# Altium PCB PCB.PcbDoc (part 3 of 3) (continued)
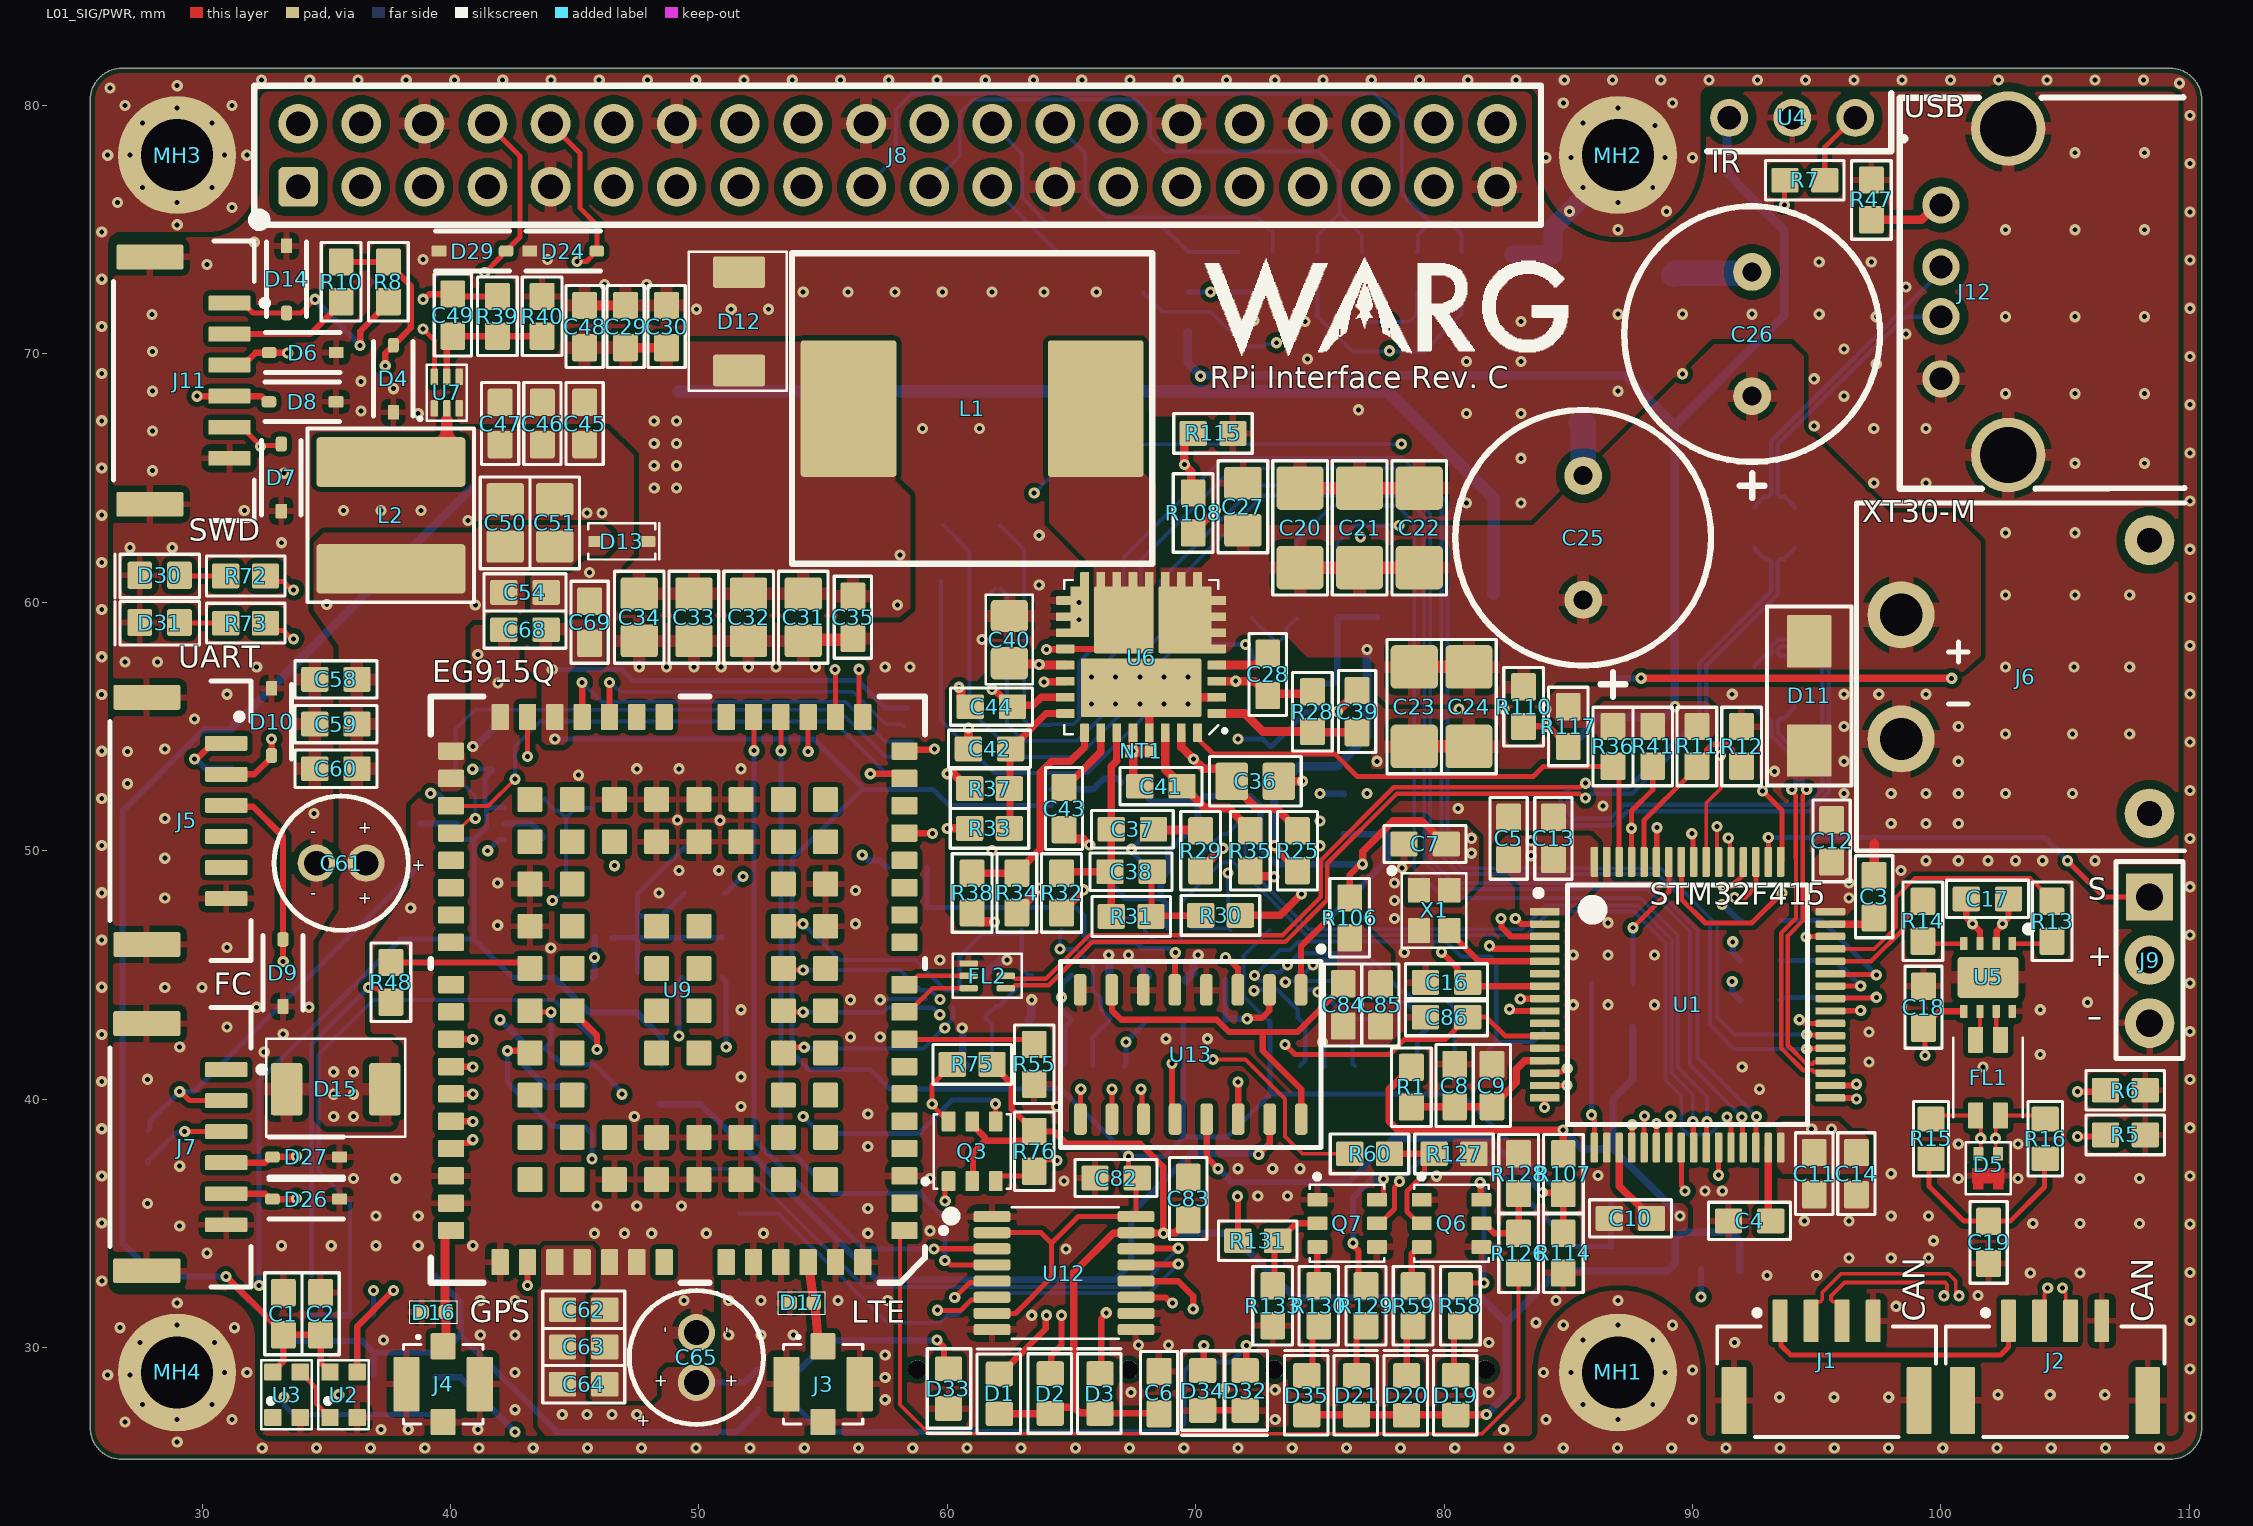
[diagram p0: L01_SIG/PWR view]
## Nets (pads, with @x,y where several pads share a name; then routed paths per layer and width w, separated by ;. In a path a pad name is that pad's centre, name@x,y a point inside that pad or via, vN(x,y) a via of type N, cw(c..) or ccw(c..) an arc to the next point about the centre after c; other vN are vias at no path point) (continued)
  L03_SIG w0.152: v1(69.3,34) 69.6,33.7 77.3,33.7 82.5,38.9 83.976,38.9 84.498,39.421 84.751,39.421 85.88,40.55 85.88,44.404 90.627,49.15 91.35,49.15 91.697,48.803 v1(91.697,48.113)
  L04_SIG/PWR w0.152: J17.1@49.819,37.196 51.904,37.196 56.662,32.438 67.738,32.438 v1(69.3,34)
UART_DBG_STM_TO_EG_1V8: U9.23 U12.3 | length 28.4
  L01_SIG/PWR w0.203: U9.23@52.2,55.376 52.211,55.365 52.211,54.04 v1(52.223,54.028) ; v1(59.463,33.965) 59.477,33.978 61.797,33.978 U12.3@61.8,33.975
  L04_SIG/PWR w0.203: v1(52.223,54.028) 52.223,38.377 56.635,33.965 v1(59.463,33.965)
UART_FC_TO_MCU: D23.2 J7.2 R61.1 R62.1 R70.1 U1.17 | length 91.2
  L01_SIG/PWR w0.203: v1(29.1,40.3) 29.134,40.3 29.492,39.942 J7.2@30.974,39.942 ; U1.17@86.05,38.05 86.054,38.054 v1@86.054,39.186
  L03_SIG w0.152: v1(29.1,40.3) 28.257,39.457 28.257,36.443 31.5,33.2 58.509,33.2 60.123,31.586 62.386,31.586 63.741,32.941 78.7,32.941 83.659,37.9 84.531,37.9 85.936,39.306 v1(85.936,39.37)
  L04_SIG/PWR w0.203: D23.2@27.813,38.734 27.908,38.829 27.908,39.118 v1@29.09,40.3 ; v1(29.1,40.3) 29.678,40.3 38.756,49.378 R70.1@38.756,49.428 ; v1(85.936,39.37) R62.1@85.936,44.684
UART_MAIN_EG_TO_STM: J15.2 U1.30 U11.13 | length 70
  L01_SIG/PWR w0.203: U1.30@92.55,38.042 92.562,38.055 92.562,39.287 v1(92.575,39.3)
  L04_SIG/PWR w0.152: J15.2@59.844,63.103 60.9,62.046 60.9,55.7 62.825,53.775 63.692,53.775 U11.13@64.2,53.775 65.253,53.775 67.257,55.779 67.257,57.357 68.6,58.7 68.6,60.897 72.403,64.7 78.3,64.7 79.441,63.559 79.441,49.659 80.4,48.7 88.3,48.7 90.2,46.8 90.2,41.675 v1(92.575,39.3)
UART_MAIN_EG_TO_STM_1V8: U9.35 U11.4 | length 24.4
  L01_SIG/PWR w0.152: U9.35@40.025,50.712 40.2,50.712 40.736,51.248 40.941,51.248 v1(40.998,51.305)
  L04_SIG/PWR w0.152: v1(40.998,51.305) 41,51.306 41,52.2 40.2,53 40.2,54.9 40.976,55.676 55.624,55.676 57.511,53.789 U11.4@58.378,53.789
UART_MAIN_STM_TO_EG: J15.1 U1.29 U11.14 | length 68.7
  L01_SIG/PWR w0.203: v1(91.986,39.286) 92.018,39.254 92.018,38.082 U1.29@92.05,38.05
  L04_SIG/PWR w0.152: J15.1@59.744,60.863 59.744,55.256 61.875,53.125 U11.14@64.2,53.125 65.651,53.125 68.2,55.674 68.2,57.2 69.3,58.3 69.3,60.9 72.7,64.3 78.359,64.3 79.2,63.459 79.2,49.559 80.3,48.459 88.2,48.459 89.9,46.759 89.9,41.372 v1(91.986,39.286)
UART_MAIN_STM_TO_EG_1V8: U9.34 U11.3 | length 21.3
  L01_SIG/PWR w0.152: U9.34@40.025,51.812 40.037,51.8 41.514,51.8 v1(42.594,52.88)
  L04_SIG/PWR w0.152: v1(42.594,52.88) 42.6,52.886 42.6,54.2 43.6,55.2 55.436,55.2 57.511,53.125 58.243,53.125 U11.3@58.245,53.123
UART_MCU_TO_FC: D25.2 J7.3 R65.1 R71.2 U1.16 U10.4 | length 94.9
  L01_SIG/PWR w0.203: v1(29.3,38.7) 29.304,38.696 30.97,38.696 J7.3@30.974,38.692
  L01_SIG/PWR w0.254: v1(84.049,39.663) 84.049,40.049 U1.16@84.05,40.05
  L03_SIG w0.152: v1(29.3,38.7) 31.793,41.193 32.704,41.193 ; v1(44.1,48) 39.511,48 32.704,41.193 ; v1(84.049,39.663) 84.652,39.663 85.639,40.65 85.639,41.749 84.987,42.4 81.659,42.4 74.923,35.664 61.609,35.664 54.308,42.964 47.467,42.964 42.444,37.941 35.956,37.941 32.704,41.193
  L04_SIG/PWR w0.152: R71.2@43.8,52.1 43.8,52.05 44.224,51.626 44.343,51.626 44.653,51.316 45.061,51.724 45.676,51.724 R65.1@45.7,51.7 ; v1(44.1,48) 44.181,48 44.653,48.472 44.656,48.472 ; 44.656,51.316 44.656,48.472 ; U10.4@45.177,48.472 44.656,48.472
  L04_SIG/PWR w0.203: D25.2@27.813,37.434 27.813,37.504 28.962,38.653 29.253,38.653 v1(29.3,38.7)
UART_MCU_TO_RPI: D24.2 J8.10 R62.2 U1.58 | length 71.4
  L01_SIG/PWR w0.203: J8.10@44.03,79.27 45.207,78.093 45.207,75.881 45.892,75.195 D24.2@45.892,74.142 45.828,74.142 45.705,74.019 45.705,73.955 45.476,73.725 v1(45.1,73.725) ; v1(87.6,46.9) 89.05,48.35 U1.58@89.05,49.55
  L03_SIG w0.152: v1(45.1,73.725) 45.125,73.7 66.975,73.7 78.004,62.67 78.527,62.67 89.4,51.798 ; v1(87.6,46.9) 89.4,48.7 89.4,51.798
  L04_SIG/PWR w0.203: R62.2@87.6,44.683 v1(87.6,46.9)
UART_RPI_TO_MCU: D29.2 J8.8 R63.1 U1.59 U10.2 | length 104
  L01_SIG/PWR w0.203: v1(41.377,73.274) 42.05,73.947 42.05,74.019 42.173,74.142 D29.2@42.237,74.142 42.8,74.705 42.8,77.96 J8.8@41.49,79.27 ; U1.59@88.55,49.55 88.562,49.562 88.562,50.917 v1(88.575,50.929)
  L03_SIG w0.203: v1(45.8,45.7) 47.1,47 47.1,53 35.9,64.2 35.9,70.513 36.987,71.6 39.703,71.6 v1(41.377,73.274) 67.024,73.274 77.894,62.404 78.376,62.404 88.548,52.232 88.548,50.955 v1(88.575,50.929)
  L04_SIG/PWR w0.254: R63.1@45.727,44.897 45.8,44.97 v1(45.8,45.7) 45.814,45.714 45.814,46.509 U10.2@45.827,46.522
UNUSED_PIN: U1.10
USB_DM_FILT: FL2.4 U9.10 | length 2.7
  L01_SIG/PWR w0.178: U9.10@58.275,44.612 58.45,44.612 58.803,44.965 FL2.4@60.86,44.965
USB_DP_FILT: FL2.5 U9.9 | length 3
  L01_SIG/PWR w0.178: U9.9@58.275,43.512 58.45,43.512 58.711,43.773 58.711,43.775 59.401,44.465 FL2.5@60.86,44.465
USB_OTG_HS_ID: R5.2 U1.33 | length 11.7
  L01_SIG/PWR w0.254: U1.33@95.55,40.05 96.497,40.05 96.547,40 v1(96.6,40) ; v1(105.5,38.5) 106.567,38.5 R5.2@106.627,38.56
  L03_SIG w0.254: v1(96.6,40) 104,40 v1(105.5,38.5)
USIM1_CLK: C72.2 D18.2 J13.C3 U9.46 | length 54.6
  L01_SIG/PWR w0.254: U9.46@40.025,38.012 40.248,38.235 40.715,38.235 40.847,38.367 v1(40.9,38.367)
  L03_SIG w0.152: v1(40.9,38.367) 40.947,38.32 41.581,38.32 47.761,44.5 62.2,44.5 64.2,46.5 71,46.5 72.07,45.43 72.07,45.322 72.365,45.027 v1(72.365,44.975)
  L04_SIG/PWR w0.17: v1@72.4,44.9 v1@72.4,45.01 ; v1@72.4,44.9 72.473,44.9 72.617,44.757 D18.2@73.047,44.757 ; v1@72.4,44.975 v1(72.365,44.975) 73.39,46 73.8,46 74.15,46.35 80.08,46.35 80.691,45.739 81.861,45.739 82.1,45.5 82.1,42.3 ; J13.C3@81.496,41.342 81.82,41.666 81.82,42.02 82.1,42.3 ; C72.2@84,42.75 84,42.724 83.576,42.3 82.1,42.3
USIM1_DATA: C71.2 D18.3 J13.C7 R54.1 U9.45 | length 49.4
  L01_SIG/PWR w0.254: U9.45@40.025,39.112 40.031,39.106 40.894,39.106 v1(40.9,39.1)
  L03_SIG w0.152: v1(40.9,39.1) 41.948,39.1 48.948,46.1 63,46.1 63.676,46.776 72.324,46.776 v1(73.7,45.4)
  L04_SIG/PWR w0.17: D18.3@73.047,45.107 73.407,45.107 v1(73.7,45.4) 74.17,45.87 76.865,45.87 77.51,45.225 77.51,45.171 R54.1@77.925,44.756 77.925,44.706 78.34,44.291 78.474,44.291 78.74,44.025 80.044,44.025 80.415,43.654 80.415,43.168 ; J13.C7@80.226,41.342 80.415,41.532 80.415,43.168 ; C71.2@81.325,43.176 80.424,43.176 80.415,43.168
USIM1_DET: D18.1 J13.CD R53.1 U9.42 | length 48.4
  L01_SIG/PWR w0.254: U9.42@40.025,42.412 40.031,42.406 40.894,42.406 v1(40.9,42.4)
  L03_SIG w0.152: v1(40.9,42.4) 44,42.4 49.3,47.7 73.431,47.7 75.435,45.696 75.435,44.177 74.794,43.535 73.23,43.535 72.397,44.368 v1(72.352,44.368)
  L04_SIG/PWR w0.17: v1(72.352,44.368) 72.392,44.407 73.293,44.407 74.109,43.591 74.109,43.291 R53.1@74.4,43 ; J13.CD@74.196,41.342 74.413,41.56 74.413,42.987 R53.1@74.574,43.147
USIM1_RST: C73.2 D18.4 J13.C2 U9.44 | length 47.6
  L01_SIG/PWR w0.254: U9.44@40.025,40.212 40.031,40.206 40.894,40.206 v1(40.9,40.2)
  L03_SIG w0.152: v1(40.9,40.2) 42.635,40.2 48.776,46.341 62.741,46.341 63.417,47.017 73.098,47.017 v1(74.717,45.398)
  L04_SIG/PWR w0.17: D18.4@74.147,45.107 74.425,45.107 v1(74.717,45.398) ; v1@74.745,45.477 74.822,45.477 74.957,45.611 76.758,45.611 77.039,45.33 77.039,44.352 77.486,43.905 78.444,43.905 78.769,43.58 79.221,43.58 C73.2@79.625,43.176 79.625,43.126 79.21,42.711 79.16,42.711 78.92,42.471 78.92,41.379 J13.C2@78.956,41.342
USIM1_VDD: C70.2 D18.6 J13.C1 R54.2 U9.43 | length 46.1
  L01_SIG/PWR w0.254: U9.43@40.025,41.312 40.031,41.306 40.894,41.306 v1(40.9,41.3)
  L03_SIG w0.203: v1(40.9,41.3) 43.322,41.3 48.63,46.608 62.508,46.608 63.3,47.4 73.354,47.4 75.169,45.585 75.169,44.567 v1(74.921,44.32)
  L04_SIG/PWR w0.17: D18.6@74.147,44.407 74.758,44.407 74.845,44.32 v1(74.921,44.32) 74.975,44.266 75.135,44.266 75.76,43.641 75.81,43.641 76.225,43.226 C70.2@76.225,43.176 ; J13.C1@76.416,41.342 76.311,41.448 76.311,43.091 C70.2@76.225,43.176 ; R54.2@77.925,43.156 77.868,43.214 76.262,43.214 C70.2@76.225,43.176
USIM2_CLK: C76.2 D22.3 J14.C3 U9.84 | length 17.7
  L01_SIG/PWR w0.203: U9.84@53.4,41.862 53.628,42.09 v1(54.24,42.09)
  L03_SIG w0.203: v1(59.9,42.86) 59.94,42.86 60.5,42.3 v1(67.2,42.3)
  L04_SIG/PWR w0.17: v1(54.24,42.09) 54.293,42.036 59.036,42.036 59.86,42.86 v1(59.9,42.86) ; v1@59.9,42.9 59.9,42.907 60.236,43.243 D22.3@60.236,43.682
  L04_SIG/PWR w0.203: J14.C3@67.13,41.342 67.2,41.412 v1(67.2,42.3) 67.2,42.322 68.069,43.192 C76.2@68.069,43.242
USIM2_DATA: C75.2 D22.6 J14.C7 R56.1 U9.86 | length 19.5
  L01_SIG/PWR w0.203: U9.86@53.4,45.262 53.462,45.2 v1(54.2,45.2)
  L03_SIG w0.203: v1(59.707,44.007) 59.714,44 62.502,44 v1(64.541,46.039)
  L04_SIG/PWR w0.17: v1(54.2,45.2) 58.1,45.2 58.918,44.382 D22.6@59.127,44.382 ; D22.6@59.136,44.382 59.332,44.382 v1(59.707,44.007) ; R56.1@64.6,46.8 64.541,46.741 v1(64.541,46.039) 65.187,46.039 65.868,45.358 65.868,44.361 66.182,44.047 66.182,43.615 C75.2@66.554,43.242 66.554,43.192 65.86,42.498 J14.C7@65.86,41.342
USIM2_RST: C77.2 D22.4 J14.C2 R9.1 U9.85 | length 15.9
  L01_SIG/PWR w0.203: U9.85@53.4,43.562 53.462,43.5 v1(54.2,43.5)
  L03_SIG w0.17: v1(59.7,43.4) 63.9,43.4 v1(64.6,44.1)
  L04_SIG/PWR w0.17: v1(54.2,43.5) 57.415,43.5 57.597,43.682 D22.4@59.136,43.682 59.418,43.682 v1(59.7,43.4)
  L04_SIG/PWR w0.203: J14.C2@64.59,41.342 64.733,41.485 64.733,42.904 C77.2@65.01,43.182 ; C77.2@65,43.192 64.618,43.574 64.618,44.082 v1(64.6,44.1) 64.613,44.113 64.613,44.613 R9.1@65,45
USIM2_VDD: C74.2 D22.1 J14.C1 R9.2 R56.2 U9.87 | length 19.2
  L01_SIG/PWR w0.203: U9.87@53.4,46.962 53.498,47.06 v1(54.197,47.06)
  L04_SIG/PWR w0.17: v1(54.197,47.06) 55.657,45.6 58.715,45.6 59.936,44.379 D22.1@60.143,44.379 ; D22.1@60.146,44.382 60.4,44.382 60.5,44.482 60.5,45.744 61.4,46.644 62.844,46.644 R56.2@63,46.8 63,45.264 63.264,45 R9.2@63.4,45 ; J14.C1@62.05,41.342 61.8,41.592 61.8,43.005 C74.2@61.533,43.272 61.533,43.322 61.948,43.737 62.072,43.737 62.752,44.416 62.752,44.446 62.891,44.585 62.935,44.585 63.306,44.956 R9.2@63.306,45
VBUS: C20.2 C21.2 C22.2 C23.2 C24.2 C25.1 C26.1 C27.2 D11.2 J6.1 R25.2 R34.2 R110.2 U6.5 U6.6 U6.7 U6.8 U6.9 U6.10 U6.11 U6.34 | length 30.6
  L01_SIG/PWR w0.35: R34.2@62.8,47.5 62.8,47.55 63.681,48.431 63.681,48.478 v1(63.7,48.497) ; v1(73.165,50.209) 73.165,50.185 74.1,49.25 R25.2@74.1,49.2
  L01_SIG/PWR w0.508: C20.2@74.2,61.4 C21.2@76.6,61.4 C22.2@79,61.4 ; C23.2@78.8,57.4 C24.2@81,57.4
  L03_SIG w0.3: v1(63.7,48.497) 64.131,48.928 67.872,48.928 68.3,48.5 71.456,48.5 v1(73.165,50.209)
  L04_SIG/PWR w0.35: v1(73.165,50.209) 73.165,52.408 74.158,53.4 75.7,53.4 76.9,54.6 v1(76.9,58.1)
VCAP1: C4.2 U1.31 | length 3
  L01_SIG/PWR w0.3: U1.31@93.05,38.05 93.05,35.2 C4.2@93.15,35.1
VCAP2: C3.2 U1.47 | length 1.9
  L01_SIG/PWR w0.3: U1.47@95.55,47.05 97.06,47.05 C3.2@97.31,47.3
VDDA: C8.2 C9.2 R1.1 U1.13 | length 6.5
  L01_SIG/PWR w0.3: R1.1@78.7,39.7 78.702,39.698 C8.2@80.428,39.697 81.925,39.698 C9.2@81.927,39.697 81.927,39.747 82.277,40.097 82.327,40.097 82.9,40.67 82.9,41.2 83.25,41.55 U1.13@84.05,41.55
VSNS_1V8: R113.1 R120.2 U13.2 | length 4.4
  L01_SIG/PWR w0.254: v1(72.074,43.236) 72.111,43.273 72.673,43.273 72.962,43.562 72.962,44.392 U13.2@72.97,44.4
  L04_SIG/PWR w0.254: R120.2@71.2,44.8 R113.1@71.2,43.2 71.236,43.236 v1(72.074,43.236)
VSNS_3V8: R112.1 R119.2 U13.5 | length 14.3
  L01_SIG/PWR w0.254: U13.5@69.16,44.4 69.17,44.41 69.17,45.888 v1(69.18,45.898)
  L04_SIG/PWR w0.203: R112.1@59.173,49.323 R119.2@59.173,47.723 65.177,47.723 65.5,47.4 65.5,46.6 65.8,46.3 67.614,46.3 67.857,46.057 68.954,46.057 69.113,45.898 v1(69.18,45.898)
VSNS_5V05: R111.1 R118.2 U13.1 | length 9.5
  L01_SIG/PWR w0.254: U13.1@74.24,44.4 74.24,46.155 v1(75.352,47.267)
  L04_SIG/PWR w0.254: v1(75.352,47.267) 77.766,49.681 R118.2@77.766,50.665 R111.1@75.966,50.665
VSNS_VBUS: R110.1 R117.2 U13.12 | length 30.4
  L01_SIG/PWR w0.254: v1(69.048,41.435) 69.048,39.322 U13.12@69.17,39.2 ; R110.1@83.2,55 83.208,55.008 v1(84.114,55.008) ; v1@84.1,55 84.129,54.971 84.229,54.971 84.577,54.623 84.627,54.623 85,54.25 R117.2@85,54.2
  L03_SIG w0.254: v1@69.049,41.435 70.264,40.22 76.52,40.22 80.9,44.6 80.9,46.549 82.527,48.176 82.55,48.176 84.114,49.739 v1(84.114,55.008)
pads on no net: D22.2 J6.MH0 J6.MH1 J13. J13.C6 J14. J14.C6 J14.CD U3.1 U8.4 U9.2 U9.4 U9.5 U9.6 U9.7 U9.11 U9.12 U9.13 U9.14 U9.16 U9.24 U9.25 U9.26 U9.36 U9.37 U9.38 U9.39 U9.40 U9.41 U9.56 U9.57 U9.63 U9.64 U9.65 U9.66 U9.78 U9.83 U9.88 U9.92 U9.93 U9.94 U9.95 U9.97 U9.98 U9.99 U9.103 U9.104 U9.105 U9.106 U9.107 U9.108 U9.109 U9.110 U9.111 U9.112 U9.113 U9.114 U9.115 U9.116 U9.117 U9.118 U9.119 U9.120 U9.121 U9.122 U9.123 U9.124 U9.125 U9.126

## Polygon pours and split planes (outlines as drawn)
+3V8 on L01_SIG/PWR "+3V8_L01_P051" (solid, remove dead copper, pour order 51): 50.751,26.439 50.9,26.588 50.9,28.978 50.7,29.2 48.733,29.2 48.511,28.978 48.511,27.996 48.169,27.653 45.637,27.653 45.433,27.9 45.433,32.133 45.848,32.548 45.848,33.952 45.7,34.1 43.8,34.1 43.65,33.95 43.65,32.45 43.511,32.311 43.511,26.853 43.82,26.439
CGND on L01_SIG/PWR "CGND_L01_GUARD_RING" (solid, pour order 19): 25.492,26.776 ccw(c26.76,26.776) 26.762,25.508 109.3,25.5 ccw(c109.23,26.769) 110.5,26.7 110.5,80.23 110.5,80.232 ccw(c109.224,80.232) 109.222,81.508 26.762,81.508 ccw(c26.76,80.24) 25.492,80.24 25.492,74.901 30.192,74.901 ccw(c30.194,76.849) 32.135,76.68 32.142,80.242 cw(c32.664,80.241) 32.663,80.763 83.337,80.763 cw(c83.155,80.176) 83.742,80.358 83.742,77.999 ccw(c87.042,77.999) 90.342,77.999 90.342,78 90.342,80.342 cw(c90.713,80.392) 90.763,80.763 109.23,80.763 cw(c109.232,80.232) 109.763,80.232 109.763,80.23 109.763,26.7 cw(c109.292,26.708) 109.3,26.237 90.75,26.237 cw(c90.707,26.602) 90.342,26.645 90.342,29 ccw(c87.042,29) 83.742,29 83.742,26.645 cw(c83.391,26.588) 83.334,26.237 32.593,26.237 cw(c32.726,26.821) 32.142,26.688 32.142,30.351 32.142,30.352 ccw(c30.343,30.352) 30.342,32.151 26.649,32.151 cw(c26.649,32.572) 26.228,32.572 26.228,74.428 cw(c26.688,74.441) 26.701,74.901 25.492,74.901 25.492,26.778 ccw(c25.511,26.777)
+3V3 on L01_SIG/PWR "+3V3_L01_P035" (solid, pour order 35): 95.3,50.1 96.1,50.1 96.6,49.6 96.6,47.796 96.204,47.4 95,47.4 94.805,47.595 94.805,49.605
VBUS on L01_SIG/PWR "VBUS_L01_P052" (solid, pour order 52): 94.471,69.9 94.471,67.068 97.94,63.6 100.434,63.6 101.6,62.434 101.6,57.851 100.434,56.8 84.53,56.8 83.63,55.9 77.7,55.9 77.218,56.382 77.218,57.512 76.93,57.8 74.3,57.8 73.8,58.4 71.7,58.4 71.3,58 68.6,58 68.6,61.4 70.2,61.4 70.6,61.8 70.6,63.7 72.7,63.7 72.9,63.5 72.9,63.1 80.1,63.1 83.568,63.1 90.868,70.4 93.971,70.4
+3V8 on L01_SIG/PWR "+3V8_L01_P056" (solid, pour order 56): 34.5,62.4 34.9,62.8 40.9,62.8 41.2,63.1 46.2,63.1 46.5,62.8 46.5,62.2 46.2,61.9 45.3,61.9 44.8,61.4 43.3,61.4 43,61.1 43,59.7 42.6,59.3 40.9,59.3 40.6,59 40.6,52.6 40.3,52.4 38.7,52.4 38.2,51.9 38.2,48.6 36.557,46.315 36.557,42.643 36.8,42.4 37.6,42.4 37.9,42.1 37.9,39.2 37.6,38.9 35,38.9 34.7,39.2 34.7,46.315 35.5,47.6 35.5,58.246 34.5,59.689
GND on L01_SIG/PWR "GND_L01_P057" (solid, remove dead copper, pour order 57): 26.8,26 cw(c26.858,26.959) 25.9,26.9 26,80 cw(c27,80) 27,81 109,81 cw(c109,80) 110,80 110,27 cw(c109,27) 109,26
AMUX_VDDA on L01_SIG/PWR "AMUX_VDDA_L01_P054" (solid, pour order 22): 75.879,47.033 75.7,46.854 75.7,44.094 77.852,44.094 77.852,45.848 76.667,47.033
+5V1 on L01_SIG/PWR "+5V1_L01_P049" (solid, pour order 49): 57.9,70.5 57.9,64.9 58.5,64.3 58.5,59.763 58.071,59.4 46.638,59.4 46.638,60.902 47.6,61.864 47.6,63.183 47.6,66 46.4,67.2 40.4,67.2 40.222,67.378 40.222,69.722 40.4,69.9 43.9,69.9 44.5,70.5 44.5,71.2 44.8,71.5 46.8,71.5 47.8,70.5
+1V8 on L01_SIG/PWR "+1V8_L01_P025" (solid, pour order 25): 43.674,54.428 43.842,54.259 44.56,54.259 44.729,54.428 44.729,57.148 45.053,57.473 46,57.473 46.223,57.696 46.223,59.023 45.947,59.3 43.277,59.3 43,59.023 43,57.4 43.674,56.837
+3V3 on L01_SIG/PWR "+3V3_L01_P027" (solid, pour order 27): 87.8,34.7 87.69,34.81 87.69,35.59 87.9,35.8 89.6,35.8 89.8,35.6 89.8,34.8 89.7,34.7
+3V3 on L01_SIG/PWR "+3V3_L01_P031" (solid, pour order 31): 86.421,56.021 85.995,55.595 85.995,54.805 86.341,54.459 90.659,54.459 91,54.8 91,55.6 90.579,56.021
+3V3 on L01_SIG/PWR "+3V3_L01_P033" (solid, pour order 33): 93.396,37.3 93.396,38.883 93.628,39.115 95.868,39.115 96.1,38.883 96.362,38.622 96.878,38.622 97.1,38.4 97.1,37.3 96.878,37 93.628,37
+3V3 on L01_SIG/PWR "+3V3_L01_P048" (solid, pour order 48): 82.1,50.2 82.5,50.6 85.9,50.6 86.2,50.3 86.2,48.7 84.898,47.398 83.2,47.398 83.047,47.551 83.047,48.589 82.536,49.1 82.2,49.1 82.1,49.2
SWITCH_NODE on L01_SIG/PWR "SWITCH_NODE_L01_P054" (solid, pour order 54): 68.4,57.9 68.4,64.688 67.8,65.288 67.8,70.5 64.1,70.5 64.1,63.2 65.9,61.4 65.9,57.9
+3V3 on L01_SIG/PWR "+3V3_L01_P050" (solid, pour order 50): 79.259,50.897 79.428,51.042 80.893,51.042 81.4,50.535 81.4,48.7 80.628,47.928 78.68,47.928 78.538,48.07 78.538,48.939 79.199,49.601 79.259,49.66
CGND on L04_SIG/PWR "CGND_L04_GUARD_RING" (solid, pour order 26): 25.492,26.776 ccw(c26.76,26.776) 26.762,25.508 109.3,25.5 ccw(c109.23,26.769) 110.5,26.7 110.5,80.23 110.5,80.232 ccw(c109.224,80.232) 109.222,81.508 26.762,81.508 ccw(c26.76,80.24) 25.492,80.24 25.492,74.901 30.192,74.901 ccw(c30.194,76.849) 32.135,76.68 32.142,80.242 cw(c32.664,80.241) 32.663,80.763 83.337,80.763 cw(c83.155,80.176) 83.742,80.358 83.742,77.999 ccw(c87.042,77.999) 90.342,77.999 90.342,78 90.342,80.342 cw(c90.713,80.392) 90.763,80.763 109.23,80.763 cw(c109.232,80.232) 109.763,80.232 109.763,80.23 109.763,26.7 cw(c109.292,26.708) 109.3,26.237 90.75,26.237 cw(c90.707,26.602) 90.342,26.645 90.342,29 ccw(c87.042,29) 83.742,29 83.742,26.645 cw(c83.391,26.588) 83.334,26.237 32.593,26.237 cw(c32.726,26.821) 32.142,26.688 32.142,30.351 32.142,30.352 ccw(c30.343,30.352) 30.342,32.151 26.649,32.151 cw(c26.649,32.572) 26.228,32.572 26.228,74.428 cw(c26.688,74.441) 26.701,74.901 25.492,74.901 25.492,26.778 ccw(c25.511,26.777)
+5V1 on L04_SIG/PWR "+5V1_L04_P043" (solid, pour order 43): 80.9,57.8 80.9,60.687 81.213,61 82.6,61 82.913,60.687 82.913,59.387 84.6,57.7 87,57.7 87.3,57.4 87.3,56.3 87,56 84.6,56 83.7,56.9 81.8,56.9
+3V8 on L04_SIG/PWR "+3V8_L04_P053" (solid, pour order 53): 35.3,41.5 35,41.2 35,39.2 35.3,38.9 36,38.9 43.836,32.33 43.836,27.463 44.853,26.446 50.474,26.446 51.4,27.246 51.4,28.8 50.962,29.238 49.562,29.238 48.945,29.855 48.945,31.255 36.8,41.5
+3V3 on L04_SIG/PWR "+3V3_L04_P055" (solid, pour order 38): 45.1,50.615 45.193,50.708 48.108,50.708 48.203,50.613 48.203,49.497 46.704,47.999 46.2,47.999 45.1,49.558
+5V1 on L04_SIG/PWR "+5V1_L04_P055" (solid, pour order 55): 32.33,72.139 40.469,64 49.3,64 49.7,64.4 49.7,80.2 49.3,80.6 32.8,80.6 32.33,80.13
+1V8 on L04_SIG/PWR "+1V8_L04_P039" (solid, pour order 39): 63.162,50.028 63.508,49.682 64.804,49.682 65.622,50.5 67.367,50.5 67.6,50.733 67.6,51.7 67.154,52.146 63.508,52.146 63.162,51.8
GND on L04_SIG/PWR "GND_L04_P058" (solid, remove dead copper, pour order 58): 26.8,26 cw(c26.858,26.959) 25.9,26.9 26,80 cw(c27,80) 27,81 109,81 cw(c109,80) 110,80 110,27 cw(c109,27) 109,26
+3V3 on L04_SIG/PWR "+3V3_L04_P042" (solid, pour order 42): 85.884,55.012 85.696,55.2 81,55.2 80.496,54.696 80.496,49.998 81.009,49.4 89.393,49.4 89.893,48.9 95.2,48.9 97.734,46.366 97.734,40.138 97.096,39.5 95.1,39.5 94.407,38.807 91.489,35.889 89.425,35.889 89.181,35.645 89.181,34.408 89.425,34.164 92.843,34.164 96.5,37.821 98.221,37.821 99.5,39.1 99.5,47.2 96.43,50.27 91.228,50.27 90.9,50.6 84.284,50.6 84.084,50.8 84.084,53.3 84.284,53.5 85.575,53.5 85.884,53.809
"NEOPIXEL_D0_ 3V3" on L04_SIG/PWR "NEOPIXEL_D0__3V3_L04_P041" (solid, pour order 41): 39.986,28 40.2,28.2 40.2,29.327 39.986,29.541 37.739,29.573 37.4,29.327 37.4,28.406 37.594,28.2 38.612,28.2 38.812,28
EG_WAKEUP_IN on L04_SIG/PWR "EG_WAKEUP_IN_L04_P045" (solid, pour order 45): 36.105,27.805 36.4,28.1 36.4,29.3 36.127,29.573 33.777,29.573 33.7,29.518 33.7,28.281 33.777,28.2 34.912,28.2 35.308,27.805
NEOPIXEL_D0_5V on L04_SIG/PWR "NEOPIXEL_D0_5V_L04_P046" (solid, pour order 46): 37.608,32.7 37.4,32.492 37.4,30.9 37.673,30.627 40.023,30.627 40.1,30.682 40.1,31.919 40.023,32 38.71,32 38.2,32.7
CGND on L02_GND "CGND_L02_GUARD_RING" (solid, pour order 21): 25.492,26.776 ccw(c26.76,26.776) 26.762,25.508 109.3,25.5 ccw(c109.23,26.769) 110.5,26.7 110.5,80.23 110.5,80.232 ccw(c109.224,80.232) 109.222,81.508 26.762,81.508 ccw(c26.76,80.24) 25.492,80.24 25.492,74.901 30.192,74.901 ccw(c30.194,76.849) 32.135,76.68 32.142,80.242 cw(c32.664,80.241) 32.663,80.763 83.337,80.763 cw(c83.155,80.176) 83.742,80.358 83.742,77.999 ccw(c87.042,77.999) 90.342,77.999 90.342,78 90.342,80.342 cw(c90.713,80.392) 90.763,80.763 109.23,80.763 cw(c109.232,80.232) 109.763,80.232 109.763,80.23 109.763,26.7 cw(c109.292,26.708) 109.3,26.237 90.75,26.237 cw(c90.707,26.602) 90.342,26.645 90.342,29 ccw(c87.042,29) 83.742,29 83.742,26.645 cw(c83.391,26.588) 83.334,26.237 32.593,26.237 cw(c32.726,26.821) 32.142,26.688 32.142,30.351 32.142,30.352 ccw(c30.343,30.352) 30.342,32.151 26.649,32.151 cw(c26.649,32.572) 26.228,32.572 26.228,74.428 cw(c26.688,74.441) 26.701,74.901 25.492,74.901 25.492,26.778 ccw(c25.511,26.777)
SGND on L02_GND "SGND_L02_P040" (solid, pour order 40): 74.3,57 71.7,57 71.1,56.4 71.1,55.6 70.7,55.2 65.1,55.2 64.7,55.6 64.7,56.4 64.1,57 60,57 59.4,56.4 59.4,47.3 60,46.7 65.7,46.7 70.7,51.7 74.2,51.7 74.9,52.4 74.9,56.4
GND on L02_GND "GND_L02_P044" (solid, remove dead copper, pour order 44): 26.8,26 cw(c26.858,26.959) 25.9,26.9 26,80 cw(c27,80) 27,81 109,81 cw(c109,80) 110,80 110,27 cw(c109,27) 109,26
CGND on L03_SIG "CGND_L03_GUARD_RING" (solid, pour order 18): 25.492,26.776 ccw(c26.76,26.776) 26.762,25.508 109.3,25.5 ccw(c109.23,26.769) 110.5,26.7 110.5,80.23 110.5,80.232 ccw(c109.224,80.232) 109.222,81.508 26.762,81.508 ccw(c26.76,80.24) 25.492,80.24 25.492,74.901 30.192,74.901 ccw(c30.194,76.849) 32.135,76.68 32.142,80.242 cw(c32.664,80.241) 32.663,80.763 83.337,80.763 cw(c83.155,80.176) 83.742,80.358 83.742,77.999 ccw(c87.042,77.999) 90.342,77.999 90.342,78 90.342,80.342 cw(c90.713,80.392) 90.763,80.763 109.23,80.763 cw(c109.232,80.232) 109.763,80.232 109.763,80.23 109.763,26.7 cw(c109.292,26.708) 109.3,26.237 90.75,26.237 cw(c90.707,26.602) 90.342,26.645 90.342,29 ccw(c87.042,29) 83.742,29 83.742,26.645 cw(c83.391,26.588) 83.334,26.237 32.593,26.237 cw(c32.726,26.821) 32.142,26.688 32.142,30.351 32.142,30.352 ccw(c30.343,30.352) 30.342,32.151 26.649,32.151 cw(c26.649,32.572) 26.228,32.572 26.228,74.428 cw(c26.688,74.441) 26.701,74.901 25.492,74.901 25.492,26.778 ccw(c25.511,26.777)
GND on L03_SIG "GND_L03_P037" (solid, remove dead copper, pour order 37): 26.8,26 cw(c26.858,26.959) 25.9,26.9 26,80 cw(c27,80) 27,81 109,81 cw(c109,80) 110,80 110,27 cw(c109,27) 109,26
CGND on Top Solder "CGND_TS_GUARD_RING" (solid, pour order 59): 25.492,26.776 ccw(c26.76,26.776) 26.762,25.508 109.3,25.5 ccw(c109.23,26.769) 110.5,26.7 110.5,80.23 110.5,80.232 ccw(c109.224,80.232) 109.222,81.508 26.762,81.508 ccw(c26.76,80.24) 25.492,80.24 25.492,74.901 30.192,74.901 ccw(c30.194,76.849) 32.135,76.68 32.142,80.242 cw(c32.664,80.241) 32.663,80.763 83.337,80.763 cw(c83.155,80.176) 83.742,80.358 83.742,77.999 ccw(c87.042,77.999) 90.342,77.999 90.342,78 90.342,80.342 cw(c90.713,80.392) 90.763,80.763 109.23,80.763 cw(c109.232,80.232) 109.763,80.232 109.763,80.23 109.763,26.7 cw(c109.292,26.708) 109.3,26.237 90.75,26.237 cw(c90.707,26.602) 90.342,26.645 90.342,29 ccw(c87.042,29) 83.742,29 83.742,26.645 cw(c83.391,26.588) 83.334,26.237 32.593,26.237 cw(c32.726,26.821) 32.142,26.688 32.142,30.351 32.142,30.352 ccw(c30.343,30.352) 30.342,32.151 26.649,32.151 cw(c26.649,32.572) 26.228,32.572 26.228,74.428 cw(c26.688,74.441) 26.701,74.901 25.492,74.901 25.492,26.778 ccw(c25.511,26.777)
CGND on Bottom Solder "CGND_BS_GUARD_RING" (solid): 25.492,26.776 ccw(c26.76,26.776) 26.762,25.508 109.3,25.5 ccw(c109.23,26.769) 110.5,26.7 110.5,80.23 110.5,80.232 ccw(c109.224,80.232) 109.222,81.508 26.762,81.508 ccw(c26.76,80.24) 25.492,80.24 25.492,74.901 30.192,74.901 ccw(c30.194,76.849) 32.135,76.68 32.142,80.242 cw(c32.664,80.241) 32.663,80.763 83.337,80.763 cw(c83.155,80.176) 83.742,80.358 83.742,77.999 ccw(c87.042,77.999) 90.342,77.999 90.342,78 90.342,80.342 cw(c90.713,80.392) 90.763,80.763 109.23,80.763 cw(c109.232,80.232) 109.763,80.232 109.763,80.23 109.763,26.7 cw(c109.292,26.708) 109.3,26.237 90.75,26.237 cw(c90.707,26.602) 90.342,26.645 90.342,29 ccw(c87.042,29) 83.742,29 83.742,26.645 cw(c83.391,26.588) 83.334,26.237 32.593,26.237 cw(c32.726,26.821) 32.142,26.688 32.142,30.351 32.142,30.352 ccw(c30.343,30.352) 30.342,32.151 26.649,32.151 cw(c26.649,32.572) 26.228,32.572 26.228,74.428 cw(c26.688,74.441) 26.701,74.901 25.492,74.901 25.492,26.778 ccw(c25.511,26.777)

## Other copper
L01_SIG/PWR:
  pour cut-out: 84.716,54.955 85.641,54.955 86.339,54.257 86.339,53.952 86.087,53.7 84.5,53.7
  pour cut-out: 69.9,67.5 68.4,67.5 68.1,67.8 68.1,65.277 68.544,64.833 68.544,61.664 68.604,61.604 70.116,61.604 70.396,61.884 70.154,62.127 69.277,62.127
  pour cut-out: 65.4,29.5 65.412,29.488 66.828,29.488 66.828,26.928 66.7,26.8 65.3,26.8
  pour cut-out: 61.228,29.644 63.323,29.644 64.165,30.485 64.611,30.1 64.611,29.2 64.611,28.053 64.5,27.4 64.3,27.2 63.7,26.809 61.228,26.809 61.228,27.345
  pour cut-out: 96.6,49.81 98.04,49.81 98.04,48.173 97.968,48.1 96.6,48.1
  pour cut-out: 102.406,32.112 105.5,32.112 105.5,30.019 102.406,30.019
  pour cut-out: 93.23,32.135 95.924,32.135 96.153,32.364 97.009,32.364 97.009,30.23 97.016,30.223 97.009,30.217 93.23,30.217
  pour cut-out: 50.6,29.45 50.6,32.848 50.9,32.848 50.9,29.45
  pour cut-out: 61.517,57.168 61.19,56.841 60.24,56.841 59.9,56.501 59.9,47.536 60.635,46.801 73.2,46.801 74.8,48.401 74.8,49.595 77.08,51.875 77.08,57.101 75.2,57.101 73.641,58.66 71.957,58.66 71.098,57.801 63.695,57.801 63.196,58.3 61.814,58.3 61.517,58.003
  pour cut-out: 55.8,29.45 54.2,29.45 54.2,27.55 55.8,27.55
  pour cut-out: 40.504,29.486 38.904,29.486 38.904,27.586 40.504,27.586
L03_SIG:
  pour cut-out: 60.5,55.4 60.552,55.348 63.911,55.348 64.942,54.318 71.518,54.318 67.767,50.567 67.767,49.736 60.762,49.736 57.3,53 57.3,54.318 59.3,54.318
L04_SIG/PWR:
  pour cut-out: 29.6,74.7 32.213,74.7 32.205,74.708
  pour cut-out: 89.7,57.8 89.878,57.8 90.008,57.67
  pour cut-out: 61.182,59.684 62.118,59.684 62.118,55.1 61.898,55.1 61.182,55.817
  pour cut-out: 59.2,56.124 59.477,56.124 59.477,55.155 61.789,52.843 63.235,52.843 63.235,52.162 63.206,52.133 60.169,52.133 59.2,53.102

## Silkscreen, mask and mechanical layers (free items; w line width, h text height)
Top Overlay:
  drawing of 10 lines, arcs and shapes, not listed
  text "USB" at 98.503,79.222 h1.5
  text "IR" at 90.746,76.987 h1.5
  text "RPi Interface Rev. C" at 70.561,68.322 h1.5
  text "XT30-M" at 96.842,62.922 h1.5
  text "SWD" at 29.465,62.177 h1.5
  text "UART" at 29.034,57.073 h1.5
  text "EG915Q" at 39.27,56.475 h1.5
  text "S" at 105.921,47.722 h1.5
  text "STM32F415" at 88.278,47.522 h1.5
  text "+" at 105.898,45.057 h1.5
  text "FC" at 30.464,43.911 h1.5
  text "–" at 105.884,42.617 h1.5
  text "CAN" at 99.656,31.039 h1.5 r90
  text "CAN" at 108.852,31.015 h1.5 r90
  text "GPS" at 40.775,30.722 h1.5
  text "LTE" at 56.125,30.7 h1.5
Bottom Overlay:
  drawing of 183 lines, arcs and shapes, not listed
  text "Designed By:" at 47.05,70.495 h2.6
  text "Daniel Puratich" at 47,68.117 h1.5
  text "UART Test Points" at 64.85,67.468 h1.25
  text "Kenny Na" at 47,66.44 h1.5
  text "Modem USB Selection" at 90.878,66.155 h1.5 r90
  text "GND" at 58.25,65.265 h1
  text "GND" at 65.289,65.245 h1
  text "To USB-A" at 96.182,65.078 h1.2 r90
  text "Meghan Dang" at 47,64.757 h1.5
  text "Shawn Yang" at 47,63.057 h1.5
  text "MAIN EG to STM" at 58.25,62.765 h1
  text "AUX EG to STM" at 69.25,62.665 h1
  text "Anthony Luo" at 47,61.34 h1.5
  text "MAIN STM to EG" at 58.25,60.265 h1
  text "AUX STM to EG" at 69.25,60.265 h1
  text "Anthony Lazar" at 47,59.54 h1.5
  text "To STM32" at 96.182,58.7 h1.2 r90
  text "SIM 2" at 54.75,39.672 h1.5
  text "SIM 1" at 87.35,39.672 h1.5
  text "DEBUG STM to EG" at 48.15,36.465 h1
  text "DEBUG EG to STM" at 49.85,34.465 h1
  text "GND" at 51.55,32.665 h1
M1 Board Outline:
  the board outline again, w0.15

## Text inside footprints (layer, text, board x,y; h text height)
C61: Top Overlay "+" at 36.847,48.29 h0.5 r180; Top Overlay "+" at 36.847,50.71 h0.5; Top Overlay "+" at 39.006,49.186 h0.5; Top Overlay "-" at 34.353,48.457 h0.5 r180; Top Overlay "-" at 34.353,50.543 h0.5
C65: Top Overlay "-" at 50.943,30.847 h0.5 r270; Top Overlay "-" at 48.857,30.847 h0.5 r90; Top Overlay "+" at 47.567,26.75 h0.5 r270; Top Overlay "+" at 51.11,28.353 h0.5 r270; Top Overlay "+" at 48.69,28.353 h0.5 r90